# KiCad board main.kicad_pcb (continued)
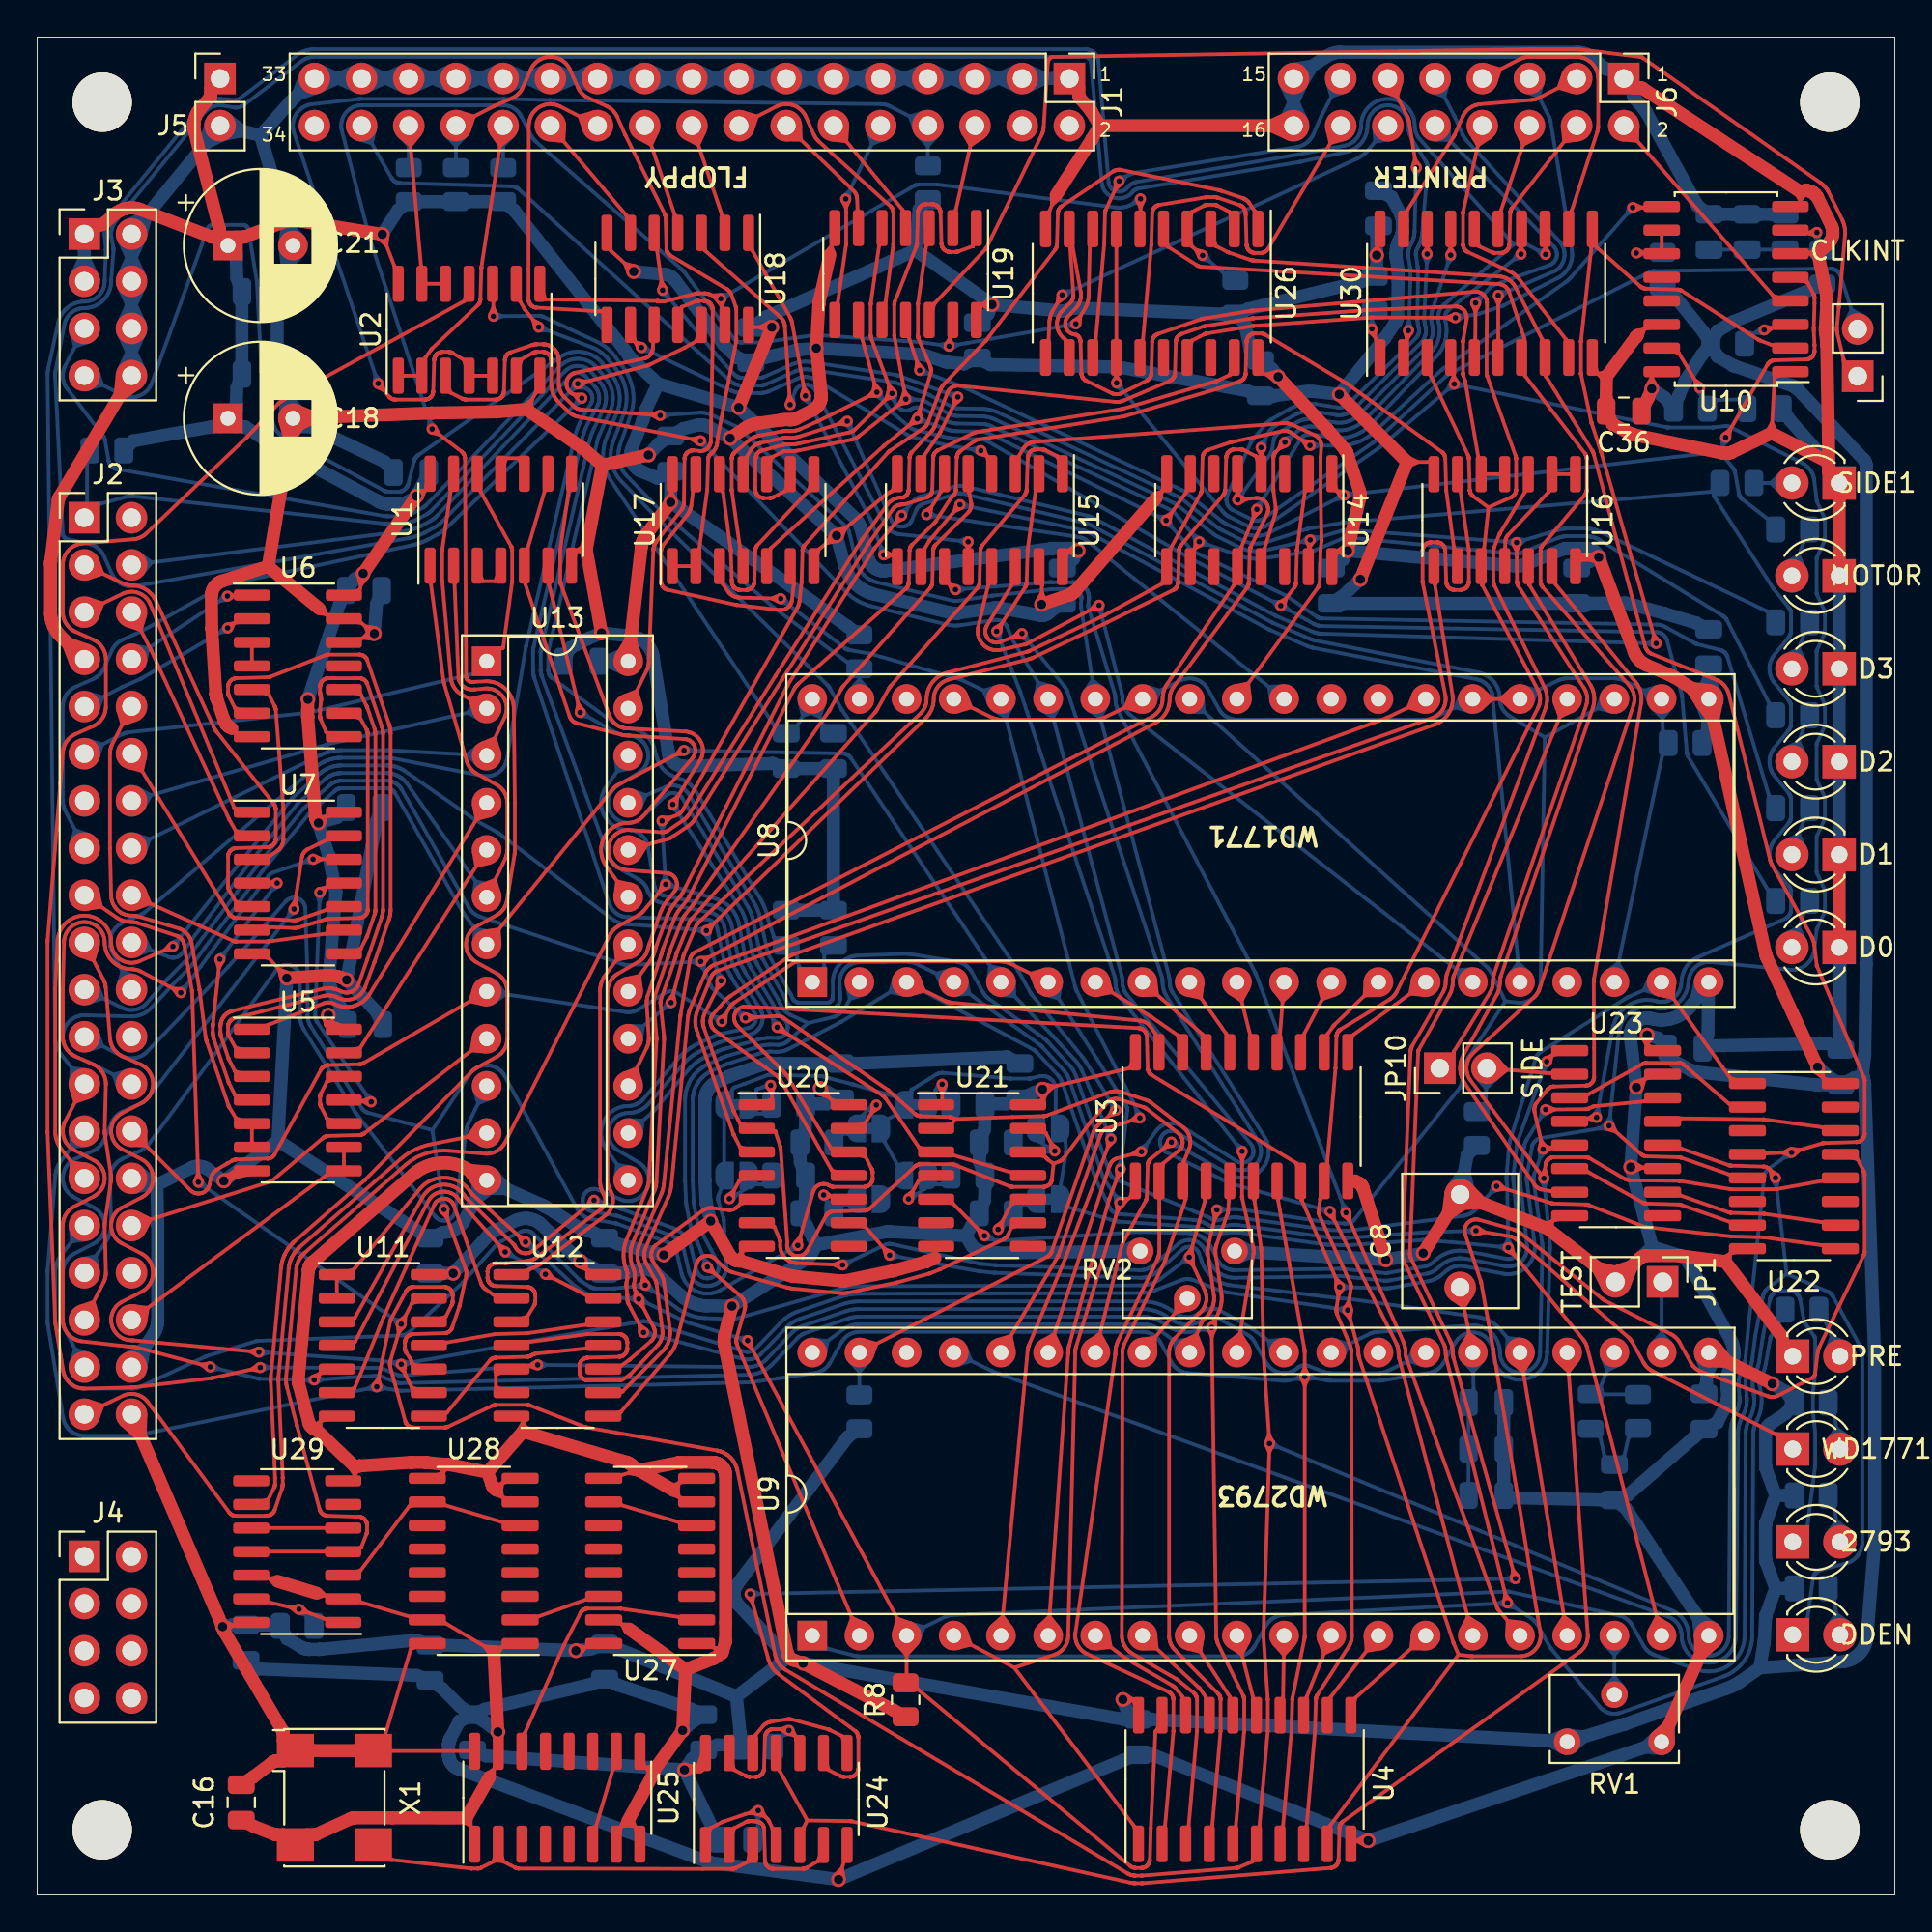
[diagram p0: board, top side]
## Routing (per net, layer and track width the routed paths; a pad name or vN(x,y) marks a point on that pad's centre or on a via; arc(x,y) is an arc through that point) (continued)
Net-(J6-Pad2): length 14.7
  Top w0.2: 86.16,95.21 86.13,94.42 85.34,94.49 ; J6.2 93.45,86.08 U10.4
Net-(J6-Pad3): length 15.1
  Top w0.2: 82.66,97.06 81.9,97.28 82.16,98.02 ; 80.86,96.74 J6.3 ; U30.19 73.74,90.66 73.75,90.67 76.23,94.62 76.25,94.64 76.26,94.66 76.27,94.69 76.29,94.71 76.3,94.74 76.31,94.76 76.73,95.71 76.76,95.76 76.79,95.82 76.82,95.87 76.85,95.92 76.89,95.97 76.93,96.02 76.98,96.06 77.02,96.1 77.07,96.14 77.12,96.18 77.17,96.22 77.22,96.25 77.28,96.28 77.33,96.3 77.39,96.32 77.45,96.34 77.51,96.36 77.57,96.37 77.63,96.38 77.69,96.39 80.43,96.62 80.48,96.62 80.53,96.63 80.58,96.64 80.62,96.65 80.67,96.67 80.72,96.68 80.77,96.7 80.81,96.72 80.86,96.74
Net-(J6-Pad4): length 12.1
  Top w0.2: 82.12,95.16 82.2,94.38 82.98,94.49 ; U30.16 77.62,88.74 77.62,88.73 78.3,88.42 78.33,88.41 78.35,88.4 78.39,88.39 78.41,88.39 78.43,88.39 78.47,88.38 78.48,88.38 78.78,88.38 78.81,88.38 78.85,88.39 78.87,88.39 78.89,88.4 78.93,88.4 78.95,88.41 78.97,88.42 79,88.44 79.02,88.45 79.04,88.46 79.07,88.48 79.09,88.5 79.1,88.51 79.13,88.53 79.14,88.55 79.15,88.57 79.17,88.6 79.19,88.62 79.2,88.64 79.21,88.67 79.22,88.69 79.23,88.71 79.24,88.75 79.24,88.77 79.24,88.79 79.25,88.83 79.29,90.53 79.3,90.57 79.3,90.6 79.31,90.62 79.32,90.66 79.33,90.68 79.34,90.73 79.36,90.75 79.37,90.77 79.4,90.81 J6.4
Net-(J6-Pad5): length 35.9
  Top w0.2: v2(76.35,84.9) 71.85,84.91 71.81,84.91 71.8,84.91 65.51,84.46 65.46,84.46 65.42,84.45 62.95,84.05 62.92,84.04 62.88,84.03 62.86,84.02 62.82,84 62.81,84 62.18,83.68 62.18,83.68 U26.17 ; 76.26,84.71 75.87,84.9 76.26,85.08
  Bottom w0.2: 76.46,84.73 76.82,84.97 76.4,85.09 ; 81.05,97.56 80.83,96.81 80.08,97.07 ; v2(76.35,84.9) 77.53,85.09 77.56,85.1 77.59,85.1 77.62,85.11 78.84,85.52 78.87,85.53 78.9,85.54 78.93,85.55 81.85,87.03 81.92,87.07 81.99,87.11 82.06,87.16 82.12,87.21 82.18,87.26 82.24,87.32 82.3,87.38 82.35,87.45 82.39,87.52 82.44,87.59 82.48,87.66 82.51,87.73 82.54,87.81 82.57,87.89 82.59,87.97 82.61,88.05 82.62,88.13 82.63,88.21 82.63,88.29 82.63,88.37 82.62,88.46 82.61,88.54 81.47,95.42 81.47,95.47 81.46,95.51 81.44,95.56 81.43,95.6 81.42,95.64 81.4,95.68 81.38,95.72 81.36,95.76 J6.5
Net-(J6-Pad6): length 7.4
  Top w0.2: 79.65,94.92 79.98,94.2 80.68,94.57 ; U30.15 78.8,90.67 78.8,90.67 J6.6
Net-(J6-Pad7): length 17.1
  Top w0.2: 78.5,97.53 78.76,98.27 78,98.49 ; U30.12 82.61,90.67 82.61,90.67 83.97,94.88 83.99,94.92 84,94.96 84.01,95.01 84.02,95.05 84.02,95.1 84.03,95.14 84.03,95.19 84.03,95.23 84.03,97.78 84.03,97.84 84.02,97.91 84.01,97.98 84,98.04 83.98,98.11 83.96,98.17 83.94,98.23 83.91,98.3 83.87,98.36 83.84,98.41 83.8,98.47 83.76,98.52 83.71,98.57 83.67,98.62 83.62,98.66 83.56,98.71 83.51,98.74 83.45,98.78 83.39,98.81 83.33,98.84 83.27,98.87 83.2,98.89 83.14,98.9 83.07,98.92 83,98.93 82.94,98.93 82.87,98.94 80.33,98.94 80.28,98.93 80.23,98.93 80.18,98.93 80.13,98.92 80.08,98.91 80.03,98.9 79.99,98.88 79.94,98.87 79.89,98.85 79.85,98.83 79.8,98.81 J6.7
Net-(J6-Pad8): length 16.8
  Top w0.2: 78.21,94.61 77.55,94.17 77.15,94.85 ; J6.8 76.76,90.61 76.76,90.58 76.75,90.53 76.75,90.52 76.75,88.84 76.76,88.82 76.76,88.78 76.76,88.75 76.77,88.74 76.78,88.7 76.78,88.68 76.8,88.64 76.82,88.61 76.83,88.59 76.85,88.56 76.87,88.54 76.88,88.53 76.91,88.5 76.93,88.48 76.94,88.47 76.97,88.45 76.99,88.44 77.01,88.43 77.03,88.42 79.25,87.4 79.31,87.37 79.36,87.34 79.42,87.31 79.47,87.27 79.52,87.24 79.57,87.2 79.61,87.16 79.66,87.11 79.7,87.07 79.74,87.02 79.78,86.97 82.28,83.75 82.28,83.74 U30.9
Net-(J6-Pad9): length 23
  Top w0.2: 78.47,86.01 78.65,85.62 78.83,86.01 ; v2(78.65,86.1) 78.65,83.64 U30.6
  Bottom w0.2: J6.9 76.28,95.76 76.3,95.74 76.31,95.71 76.73,94.76 76.75,94.72 76.77,94.68 76.8,94.64 76.82,94.6 76.85,94.56 76.88,94.52 76.9,94.48 76.94,94.45 81.95,89 81.99,88.95 82.03,88.9 82.06,88.85 82.09,88.8 82.12,88.74 82.15,88.69 82.17,88.63 82.19,88.57 82.2,88.51 82.21,88.45 82.22,88.39 82.22,88.33 82.22,88.27 82.22,88.21 82.21,88.15 82.2,88.09 82.18,88.03 82.17,87.97 82.14,87.92 82.12,87.86 82.09,87.81 82.06,87.76 82.03,87.71 81.99,87.66 81.95,87.61 81.91,87.57 81.86,87.53 81.81,87.49 81.76,87.45 81.71,87.42 81.66,87.39 81.6,87.37 v2(78.65,86.1) ; 75,97.07 75.75,96.81 75.97,97.56 ; 78.8,85.96 79.09,86.29 78.66,86.3
Net-(J6-Pad10): length 21.2
  Top w0.2: U30.5 77.42,83.64 77.42,83.74 v2(77.43,85.69) ; 77.25,85.61 77.43,85.21 77.61,85.61
  Bottom w0.2: 77.36,85.88 77.76,86.04 77.62,85.63 ; 76,95.25 76.01,94.46 75.22,94.49 ; v2(77.43,85.69) 78.21,86.52 78.23,86.53 78.25,86.55 78.27,86.57 78.29,86.59 78.31,86.6 78.33,86.62 78.35,86.63 78.37,86.64 78.4,86.65 78.42,86.66 78.45,86.67 81.41,87.73 81.44,87.74 81.47,87.76 81.5,87.78 81.53,87.79 81.56,87.81 81.59,87.84 81.62,87.86 81.65,87.89 81.67,87.91 81.69,87.94 81.71,87.97 81.73,88 81.75,88.03 81.76,88.07 81.78,88.1 81.79,88.13 81.8,88.17 81.8,88.2 81.81,88.24 81.81,88.28 81.81,88.31 81.81,88.35 81.81,88.38 81.8,88.42 81.79,88.45 81.78,88.49 81.77,88.52 81.76,88.56 81.74,88.59 81.72,88.62 81.7,88.65 81.68,88.68 81.66,88.71 81.64,88.73 J6.10
Net-(J6-Pad11): length 20.5
  Top w0.2: U30.2 73.74,83.74 73.74,83.74 ; 73.74,83.74 73.98,84.09 ; 73.74,83.74 73.62,84.15 ; 73.74,83.74 v2(73.82,84.21) ; 74.41,93.09 74.17,93.45 74.05,93.03 ; v2(74.24,92.98) 73.86,95.42 73.85,95.46 73.84,95.51 73.83,95.55 73.81,95.6 73.8,95.64 73.78,95.68 73.76,95.72 73.74,95.76 J6.11 ; 73.43,97.56 73.21,96.81 72.46,97.07
  Bottom w0.2: v2(73.82,84.21) 73.86,84.98 73.86,85.01 73.92,86.83 73.92,86.87 73.92,87.39 73.92,87.44 73.92,87.48 73.91,87.55 73.91,87.58 73.9,87.61 73.9,87.63 73.82,88.16 73.81,88.21 73.81,88.26 73.8,88.31 73.81,88.37 73.81,88.42 73.81,88.47 73.82,88.52 73.83,88.57 73.85,88.62 73.86,88.67 73.88,88.71 73.9,88.76 73.93,88.8 73.97,88.89 73.99,88.92 74,88.95 74.02,88.99 74.03,89.02 74.05,89.05 74.06,89.09 74.07,89.12 74.08,89.15 74.09,89.19 74.1,89.23 74.11,89.26 74.12,89.3 74.13,89.33 74.13,89.37 74.14,89.4 74.14,89.44 74.14,89.5 74.15,89.54 74.15,89.56 v2(74.24,92.98) ; 73.64,84.3 73.84,84.69 74,84.28 ; 74.06,92.9 74.23,92.5 74.42,92.89
Net-(J6-Pad12): length 26.8
  Top w0.2: U26.11 54.45,83.74 54.48,84.63 54.49,84.69 54.5,84.76 54.51,84.82 54.52,84.88 54.53,84.95 54.55,85.01 54.57,85.07 54.6,85.13 54.62,85.19 54.65,85.24 54.68,85.3 v2(55.17,86.12) ; 55.29,85.96 54.93,85.71 54.97,86.14
  Bottom w0.2: 55.17,86.32 55.61,86.32 55.32,85.99 ; J6.12 71.71,93.99 71.66,93.93 71.59,93.86 71.53,93.79 71.46,93.73 71.39,93.67 71.32,93.62 71.24,93.57 71.16,93.52 71.08,93.48 71,93.44 v2(55.17,86.12) ; 72.81,94.49 72.03,94.39 71.96,95.17
Net-(J6-Pad13): length 27.3
  Top w0.2: 58.37,92.1 58.04,91.82 58.04,92.25 ; U26.13 56.99,83.74 57.43,88.82 57.44,88.83 57.48,90.53 57.49,90.57 57.49,90.6 57.5,90.62 57.51,90.66 57.51,90.68 57.52,90.7 v2(58.24,92.25)
  Bottom w0.2: 58.62,92.5 58.67,92.53 58.72,92.56 58.77,92.58 58.83,92.61 58.88,92.63 58.94,92.65 58.99,92.67 59.05,92.69 59.11,92.7 59.17,92.71 67.81,94.09 67.88,94.1 67.94,94.12 68,94.14 68.06,94.16 68.12,94.18 68.18,94.21 68.23,94.24 68.28,94.28 68.34,94.31 68.39,94.36 68.43,94.4 68.48,94.44 68.52,94.49 68.56,94.54 68.6,94.59 68.63,94.65 68.66,94.71 68.69,94.76 69.11,95.71 69.12,95.74 69.14,95.76 J6.13 ; 58.62,92.5 v2(58.24,92.25) ; 58.62,92.5 58.22,92.45 ; 58.62,92.5 58.41,92.15 ; 69.45,97.56 69.67,96.81 70.42,97.07
Net-(J6-Pad14): length 25.9
  Top w0.2: 69.44,95.07 69.62,94.3 70.38,94.51 ; 60.3,90.94 60.33,90.95 60.35,90.96 60.4,90.97 60.41,90.97 62.88,91.38 62.92,91.38 62.98,91.39 63.01,91.39 63.03,91.39 63.33,91.39 63.36,91.39 63.42,91.38 63.44,91.38 63.46,91.38 63.48,91.38 63.5,91.37 63.52,91.37 63.56,91.36 63.6,91.34 64.75,90.95 64.78,90.94 64.81,90.93 64.83,90.91 64.87,90.89 64.89,90.87 64.91,90.85 64.94,90.83 64.95,90.81 64.98,90.78 64.99,90.75 65.01,90.72 65.02,90.7 65.02,90.68 65.03,90.63 65.04,90.59 65.05,90.54 65.06,90.43 65.06,90.43 65.1,88.83 65.11,88.79 65.11,88.76 65.12,88.74 65.13,88.7 65.14,88.68 65.15,88.64 65.17,88.61 65.18,88.59 65.2,88.56 65.22,88.54 65.23,88.53 65.26,88.5 65.28,88.48 65.29,88.47 65.32,88.45 65.34,88.44 65.36,88.43 65.39,88.42 65.42,88.41 65.43,88.4 65.47,88.39 65.49,88.39 65.51,88.39 65.55,88.38 65.56,88.38 65.86,88.38 65.89,88.38 65.93,88.39 65.95,88.39 65.97,88.4 66.01,88.4 66.03,88.41 66.05,88.42 66.08,88.44 66.1,88.45 66.12,88.46 66.15,88.48 66.17,88.5 66.18,88.51 66.21,88.53 66.22,88.55 66.23,88.57 66.26,88.61 J6.14 ; U26.15 59.53,83.74 59.97,88.82 59.98,88.83 60.02,90.53 60.03,90.57 60.03,90.6 60.04,90.62 60.05,90.66 60.06,90.68 60.07,90.73 60.09,90.75 60.1,90.77 60.12,90.8 60.14,90.82 60.16,90.84 60.18,90.87 60.2,90.88 60.24,90.91 60.26,90.92 60.3,90.94
Net-(JP1-Pad1): length 5.3
  Bottom w0.2: 86.92,29.67 87.44,30.23 87.96,29.67 ; U9.22 87.44,32.25 JP1.1
Net-(JP2-Pad2): length 5.3
  Top w0.2: 42.71,37.61 42.47,37.83 ; 42.71,37.61 U20.10 ; 42.71,37.61 42.41,37.49 ; 42.71,37.61 v2(42.34,37.68)
  Bottom w0.2: JP2.2 43.72,37.16 43.4,37.16 R9.2 42.52,37.36 42.52,37.37 ; 42.52,37.37 v2(42.34,37.68) ; 42.52,37.37 42.25,37.5 ; 42.52,37.37 42.54,37.66
Net-(JP3-Pad2): length 7
  Top w0.2: 44.98,42.54 44.92,42.11 45.29,42.35 ; U20.13 44.58,41.55 44.58,41.55 v2(45.17,42.52)
  Bottom w0.2: 44.76,42.28 45.01,42.63 ; 44.76,42.28 44.74,42.27 44.73,42.25 44.71,42.24 44.7,42.23 44.4,41.93 44.4,41.92 JP3.2 43.72,40.97 43.4,40.97 R12.2 ; 44.76,42.28 45.19,42.32 ; 44.76,42.28 v2(45.17,42.52)
Net-(JP4-Pad2): length 7.2
  Top w0.2: 37.46,37.46 37.5,37.89 37.15,37.63 ; v2(37.27,37.47) 37.81,38.46 37.81,38.46 U20.4
  Bottom w0.2: 37.66,37.7 37.25,37.67 ; 37.66,37.7 37.68,37.71 38.1,37.99 38.11,38 38.12,38.01 JP4.2 38.71,38.25 39.03,38.25 R10.2 ; 37.66,37.7 37.43,37.36 ; 37.66,37.7 v2(37.27,37.47)
Net-(JP5-Pad2): length 6.4
  Top w0.2: 39.31,43.47 39.54,43.1 39.68,43.52 ; U20.1 39.58,42.83 39.58,42.83 v2(39.48,43.58)
  Bottom w0.2: 39.17,43.51 39.11,43.5 39.09,43.49 38.77,43.37 38.76,43.37 38.74,43.36 38.73,43.35 38.72,43.33 38.72,43.32 38.71,43.3 38.71,43.29 38.71,43.28 38.71,43.18 JP5.2 38.71,42.06 39.03,42.06 R11.2 ; 39.17,43.51 v2(39.48,43.58) ; 39.17,43.51 39.39,43.4 ; 39.17,43.51 39.33,43.7
Net-(JP6-Pad2): length 6.8
  Top w0.2: v2(51.73,35.82) 52.43,37.18 52.43,37.18 U21.10 ; 51.93,35.81 51.95,36.25 51.61,35.98
  Bottom w0.2: JP6.2 53.37,37.16 53.05,37.16 R17.1 52.07,36.09 ; 52.07,36.09 51.91,35.74 ; 52.07,36.09 v2(51.73,35.82) ; 52.07,36.09 51.69,36.02
Net-(JP7-Pad2): length 7.8
  Top w0.2: 54.58,40.03 54.57,40.47 54.91,40.2 ; v2(54.78,40.04) 54.29,41.02 54.29,41.02 U21.13
  Bottom w0.2: 54.42,40.24 54.78,40.24 ; 54.42,40.24 v2(54.78,40.04) 54.76,40.03 54.74,40.03 54.72,40.02 54.7,40.01 54.68,40.01 54.66,40 54.64,40 54.62,40 54.6,40 54.58,40 53.05,39.98 53.04,39.98 R18.1 ; 54.42,40.24 54.4,40.25 53.98,40.53 53.97,40.54 53.96,40.55 JP7.2 ; 54.42,40.24 54.61,39.94
Net-(JP8-Pad2): length 7.3
  Top w0.2: 46.79,37.62 47.14,37.88 47.1,37.45 ; U21.4 47.46,38.46 47.46,38.46 v2(46.91,37.46)
  Bottom w0.2: 47.32,37.7 47.07,37.35 ; 47.32,37.7 46.89,37.66 ; 47.32,37.7 v2(46.91,37.46) ; 47.32,37.7 47.33,37.71 47.75,37.99 47.77,38 47.77,38.01 JP8.2 48.36,38.25 48.68,38.25 R19.1
Net-(JP9-Pad2): length 6.3
  Top w0.2: 48.9,43.55 48.72,43.16 48.53,43.55 ; v2(48.72,43.64) 48.72,42.73 U21.1
  Bottom w0.2: 48.86,43.22 48.86,43.22 R20.2 ; 48.86,43.22 48.58,43.49 ; 48.86,43.22 48.92,43.61 ; 48.86,43.22 v2(48.72,43.64) 48.39,43.36 ; 48.39,43.36 48.38,43.34 48.37,43.32 48.36,43.3 48.36,43.28 48.36,43.18 JP9.2 ; 48.39,43.36 48.76,43.44 ; 48.39,43.36 48.53,43.71
Net-(JP11-Pad1): length 70.8
  Top w0.2: U19.12 48.31,85.66 48.31,85.67 51.05,88.59 51.07,88.61 51.08,88.63 ; 51.08,88.62 51.1,88.65 51.11,88.67 51.12,88.69 54.07,94.73 54.09,94.77 54.11,94.82 54.12,94.87 54.14,94.91 54.15,94.96 54.16,95.01 54.17,95.06 54.18,95.11 54.18,95.16 54.41,98.64 54.41,98.66 54.41,98.68 54.41,98.7 54.42,98.71 54.42,98.73 54.43,98.75 54.44,98.76 54.45,98.78 54.46,98.79 54.47,98.81 54.48,98.82 54.49,98.84 54.5,98.85 54.51,98.86 54.53,98.87 54.54,98.88 54.56,98.89 54.57,98.9 54.59,98.91 54.61,98.92 54.62,98.92 54.64,98.93 54.66,98.93 54.67,98.93 54.69,98.93 54.71,98.94 80.3,99.34 80.33,99.35 82.87,99.35 82.91,99.34 82.95,99.34 82.99,99.34 83.02,99.34 83.06,99.33 86.3,98.93 86.33,98.93 86.35,98.92 86.38,98.91 86.4,98.9 86.43,98.89 86.44,98.88 96,92.15 96.04,92.13 96.07,92.1 96.1,92.08 96.12,92.06 96.15,92.04 96.17,92.01 96.19,91.99 96.22,91.97 96.24,91.94 96.26,91.91 96.29,91.89 96.31,91.86 96.33,91.83 96.34,91.81 96.36,91.78 96.38,91.76 96.39,91.73 96.41,91.7 96.43,91.67 96.44,91.65 97.17,90.16 97.2,90.1 97.22,90.03 97.25,89.97 97.27,89.9 97.28,89.84 97.3,89.77 97.31,89.7 97.32,89.63 97.32,89.56 97.32,89.5 97.32,89.43 97.32,89.36 96.99,85.51 96.99,85.47 96.88,84.4 96.88,84.35 96.88,84.3 96.88,84.26 96.88,84.21 96.89,84.16 96.89,84.12 96.9,84.07 96.91,84.03 97.25,82.62 97.25,82.6 97.25,82.5 JP11.1
Net-(R2-Pad2): length 5.6
  Top w0.2: 86.46,88.38 86.19,88.21 ; 86.46,88.38 86.56,88.38 U10.11 87.45,89.61 ; 86.46,88.38 v2(86.08,88.38) ; 86.46,88.38 86.19,88.55
  Bottom w0.2: v2(86.08,88.38) 86.9,88.38 R2.2 ; 86.17,88.2 86.56,88.38 86.17,88.56
Net-(R4-Pad2): length 71.7
  Top w0.2: 58.85,64.63 58.57,63.92 59.3,63.7 ; 77.75,64.89 78.32,64.37 77.75,63.86 ; 49.99,64.63 50.28,63.92 49.54,63.7 ; U8.37 51.4,63.38 51.44,63.35 51.49,63.34 51.54,63.32 51.58,63.3 51.63,63.29 51.68,63.28 51.73,63.27 51.78,63.27 51.83,63.26 51.88,63.26 56.96,63.26 57.01,63.27 57.06,63.27 57.11,63.27 57.16,63.28 57.21,63.29 57.26,63.3 57.31,63.32 57.35,63.34 57.4,63.35 57.45,63.38 U8.33 ; 79.35,64.89 78.78,64.37 79.35,63.86 ; U8.25 U8.26
  Bottom w0.2: U8.26 75.23,63.38 75.18,63.35 75.13,63.34 75.09,63.32 75.04,63.3 74.99,63.29 74.94,63.28 74.89,63.27 74.84,63.27 74.79,63.27 74.74,63.26 64.58,63.26 64.52,63.27 64.46,63.27 64.4,63.28 64.34,63.29 64.28,63.31 64.22,63.33 64.16,63.35 64.1,63.37 64.05,63.4 63.99,63.43 63.94,63.47 63.89,63.51 63.84,63.55 63.8,63.59 63.76,63.63 63.72,63.68 63.68,63.73 63.64,63.78 63.61,63.83 63.01,64.91 62.98,64.97 62.94,65.02 62.9,65.07 62.86,65.12 62.82,65.17 62.77,65.21 62.72,65.25 62.67,65.29 62.61,65.33 62.56,65.36 62.5,65.39 62.44,65.41 62.38,65.43 62.31,65.45 62.25,65.46 62.19,65.47 62.12,65.48 62.06,65.48 61.99,65.48 61.93,65.48 61.86,65.47 61.8,65.46 61.74,65.44 61.68,65.42 61.62,65.4 61.56,65.37 U8.33 ; 85.51,49.49 85.12,50.15 84.49,49.7 ; 80.47,64.11 80.76,64.83 80.02,65.05 ; 86.79,64.11 86.51,64.83 87.24,65.05 ; U8.25 81.88,65.37 81.92,65.39 81.97,65.41 82.02,65.43 82.06,65.44 82.11,65.46 82.16,65.47 82.21,65.47 82.26,65.48 82.31,65.48 82.36,65.48 84.9,65.48 84.95,65.48 85,65.48 85.05,65.47 85.1,65.47 85.15,65.46 85.2,65.44 85.25,65.43 85.3,65.41 85.34,65.39 85.39,65.37 U8.22 87.52,62.7 R4.2 87.47,61.31 U8.18 ; 77.08,63.7 76.35,63.92 76.63,64.63 ; 86.95,63.88 87.49,63.34 87.98,63.93 ; 60.15,64.11 60.44,64.83 59.7,65.05
Net-(R5-Pad2): length 37.1
  Top w0.2: U2.10 24.56,85.85 v2(24.56,84.98) ; 24.74,85.06 24.56,85.46 24.37,85.06
  Bottom w0.2: 24.64,85.16 25.04,84.98 24.64,84.8 ; v2(24.56,84.98) 26.99,85 27.01,85 27.04,85 27.07,85 27.1,84.99 27.12,84.99 27.15,84.98 27.18,84.98 27.2,84.97 27.23,84.96 27.25,84.95 30.15,83.6 30.25,83.55 30.35,83.49 30.45,83.43 30.54,83.37 30.63,83.3 30.72,83.23 30.81,83.15 30.89,83.07 30.97,82.99 31.04,82.9 31.11,82.81 31.37,82.45 31.4,82.42 31.42,82.39 31.45,82.35 31.54,82.23 31.63,82.11 31.71,81.98 31.79,81.85 31.85,81.71 31.91,81.57 31.96,81.43 32,81.28 32.04,81.14 32.07,80.99 32.09,80.84 32.1,80.68 32.1,80.53 32.09,80.38 32.08,80.23 32.06,80.08 32.03,79.93 31.99,79.79 31.94,79.64 31.38,78.05 31.35,77.96 31.33,77.87 31.31,77.79 31.3,77.7 31.29,77.61 31.28,77.52 31.29,77.43 31.29,77.34 31.31,77.25 31.32,77.16 31.34,77.07 31.37,76.99 31.4,76.9 31.44,76.82 31.48,76.74 31.52,76.66 31.57,76.59 31.62,76.52 31.68,76.45 31.74,76.38 33.6,74.47 33.62,74.44 33.64,74.42 39.63,69.31 39.66,69.28 43.58,66.37 43.59,66.37 R5.2 U8.39 ; 43.74,64.85 44.26,65.41 44.78,64.85
Net-(R6-Pad2): length 86.4
  Top w0.2: 26.8,84.35 26.7,84.77 27.09,84.57 ; U9.39 54.38,34.35 54.41,34.37 54.45,34.4 54.47,34.41 54.48,34.43 54.51,34.45 54.52,34.47 54.54,34.48 54.56,34.51 54.57,34.54 54.58,34.55 54.59,34.59 54.6,34.61 56.84,41.03 56.86,41.07 56.88,41.11 56.9,41.15 56.92,41.19 56.94,41.23 56.97,41.27 56.99,41.31 57.02,41.34 57.05,41.38 57.08,41.41 57.12,41.44 57.15,41.47 v2(58.07,42.24) ; 58.12,42.05 57.7,41.94 57.89,42.33 ; 44.45,29.87 45.19,29.67 44.92,28.95 ; v2(26.99,84.39) 26.27,85.33 26.24,85.36 26.22,85.39 26.21,85.41 26,85.76 U2.9
  Bottom w0.2: 44.78,28.72 44.26,28.16 43.74,28.72 ; 42.5,65.17 42.53,65.14 42.55,65.11 42.58,65.08 42.6,65.05 42.63,65.01 42.65,64.98 42.67,64.95 42.69,64.91 43.29,63.83 43.3,63.81 43.32,63.79 43.33,63.78 43.34,63.76 43.35,63.74 43.81,63.08 43.81,63.08 52.8,49.75 52.82,49.72 52.84,49.69 52.85,49.67 53.45,48.59 53.47,48.57 53.48,48.54 53.5,48.51 53.52,48.49 53.54,48.46 53.56,48.43 56.26,45.11 56.3,45.05 56.34,45 56.38,44.94 56.42,44.89 56.46,44.83 v2(58.07,42.24) ; R6.2 U9.39 ; 27.14,84.53 27.44,84.22 27.01,84.19 ; 42.5,65.17 33.32,74.16 33.3,74.18 31.45,76.09 31.37,76.18 31.3,76.26 31.24,76.35 31.18,76.44 31.12,76.53 31.07,76.63 31.03,76.73 30.99,76.84 30.96,76.94 30.93,77.05 30.91,77.15 30.89,77.26 30.88,77.37 30.87,77.48 30.88,77.59 30.88,77.7 30.9,77.81 30.92,77.92 30.94,78.02 30.97,78.13 31.01,78.23 31.57,79.71 31.62,79.83 31.65,79.96 31.68,80.09 31.71,80.23 31.72,80.36 31.73,80.5 31.73,80.63 31.72,80.76 31.71,80.9 31.68,81.03 31.66,81.16 31.62,81.29 31.57,81.42 31.52,81.54 31.46,81.67 31.4,81.78 31.33,81.9 31.25,82.01 31.17,82.11 31.14,82.15 31.11,82.18 31.1,82.19 30.77,82.63 30.71,82.7 30.64,82.78 30.58,82.85 30.5,82.91 30.43,82.97 30.35,83.03 30.28,83.09 30.19,83.14 30.11,83.19 30.02,83.23 29.94,83.28 29.85,83.31 v2(26.99,84.39) ; 58.18,42.41 57.82,42.65 57.87,42.22
Net-(R35-Pad2): length 9.8
  Top w0.2: 62.79,88.44 62.37,88.56 62.55,88.16 ; v2(62.74,88.25) 62.16,88.74 U26.4 62.18,90.6 62.18,90.61 62.81,90.92 62.84,90.94 ; 62.84,90.94 62.87,90.95 62.89,90.96 62.93,90.97 62.95,90.97 63,90.98 63.03,90.98 63.33,90.98 63.35,90.98 63.39,90.97 63.41,90.97 63.43,90.97 63.47,90.96 63.49,90.95 63.53,90.93 63.54,90.92 64.17,90.6 U26.2
  Bottom w0.2: 62.92,88.34 63.1,87.94 62.68,88.06 ; R35.2 63.85,87.32 v2(62.74,88.25)
Net-(R37-Pad2): length 4.4
  Top w0.2: 72.05,84.29 72.02,83.85 71.71,84.16 ; v2(71.85,84.3) 72.07,83.73 U30.1
  Bottom w0.2: 71.66,84.38 71.85,84.78 72.03,84.38 ; v2(71.85,84.3) 71.85,84.89 R37.2
Net-(R38-Pad2): length 4.4
  Top w0.2: v2(92.97,84.24) 93.39,84.34 ; 93.39,84.34 93.01,84.43 ; 93.39,84.34 93.1,84.09 ; 93.39,84.34 U10.3
  Bottom w0.2: 92.83,84.39 92.51,84.09 92.94,84.04 ; v2(92.97,84.24) 92.4,84.06 92.4,84.06 R38.2
Net-(U1-Pad3): length 2.5
  Top w0.2: U1.3 23.99,70.71 24.66,70.71 U1.4
Net-(U1-Pad6): length 113.8
  Top w0.2: U4.1 59.05,3.71 52.6,12.23 ; 50,14.19 50.26,13.47 49.52,13.28 ; 52.6,12.23 54.75,12.93 54.81,12.95 54.87,12.97 54.92,13 54.98,13.03 55.03,13.06 55.08,13.1 55.13,13.14 55.17,13.18 55.22,13.22 55.26,13.27 55.3,13.32 55.33,13.37 55.36,13.42 55.39,13.48 55.42,13.53 55.44,13.59 55.46,13.65 55.47,13.71 55.49,13.77 55.49,13.83 55.5,13.89 55.5,13.95 55.5,13.99 55.88,29.16 55.88,29.23 55.88,29.27 55.89,29.31 55.89,29.35 55.9,29.39 55.91,29.43 55.92,29.47 55.93,29.51 v2(58.29,37.26) 58.83,37.53 U3.1 ; 52.6,12.23 U9.4 ; 58.09,37.23 58.15,36.8 58.44,37.13 ; U1.6 27.55,70.68 27.55,70.57 27.55,70.55 v2(29.23,63.65) ; 29.04,63.69 29.12,64.12 29.39,63.78 ; 58.44,37.13 58.72,37.47 58.28,37.46
  Bottom w0.2: 48.69,48.87 48.41,49.59 49.14,49.81 ; 29.22,63.45 29.65,63.41 29.4,63.77 ; 58.39,37.43 58.02,37.66 58.09,37.23 ; v2(58.29,37.26) 57.46,38.5 ; v2(29.23,63.65) 31.1,62.6 31.16,62.56 31.22,62.53 31.28,62.51 31.35,62.48 31.41,62.46 31.48,62.45 31.54,62.43 31.61,62.42 31.68,62.41 31.75,62.41 31.82,62.41 31.88,62.4 31.95,62.4 32.01,62.39 32.08,62.37 32.14,62.36 32.21,62.33 32.27,62.31 32.33,62.28 32.38,62.24 32.44,62.21 32.49,62.17 32.54,62.12 32.59,62.08 32.64,62.03 32.68,61.98 32.72,61.92 32.75,61.87 32.78,61.81 32.81,61.75 32.83,61.68 32.85,61.62 32.87,61.56 32.88,61.49 32.89,61.43 32.9,61.36 32.9,61.29 32.89,61.23 32.88,61.16 32.87,61.09 32.85,61.03 32.83,60.97 32.81,60.9 32.78,60.84 32.75,60.79 32.72,60.73 32.68,60.67 32.64,60.62 32.59,60.57 32.54,60.53 32.49,60.48 32.44,60.44 32.38,60.41 31.25,59.7 31.19,59.67 31.14,59.63 31.09,59.58 31.04,59.53 30.99,59.48 30.95,59.43 30.91,59.38 30.88,59.32 30.84,59.26 30.82,59.19 30.79,59.13 30.77,59.07 30.76,59 30.75,58.93 30.74,58.87 30.74,58.8 30.74,58.73 30.74,58.66 30.75,58.6 30.77,58.53 30.79,58.46 30.81,58.4 30.83,58.34 30.86,58.28 30.9,58.22 30.94,58.16 30.98,58.11 31.02,58.06 31.07,58.01 31.12,57.96 31.17,57.92 31.23,57.88 31.29,57.85 31.35,57.81 31.41,57.79 31.47,57.76 31.54,57.74 31.6,57.73 31.67,57.72 31.74,57.71 31.8,57.71 31.87,57.71 31.94,57.71 32.01,57.72 32.07,57.74 32.14,57.76 32.2,57.78 32.26,57.8 32.33,57.83 32.38,57.87 32.44,57.91 32.5,57.95 32.55,57.99 33.8,59.15 33.83,59.17 33.86,59.19 33.89,59.21 33.92,59.23 33.95,59.25 33.99,59.26 34.02,59.27 34.05,59.28 34.09,59.29 34.12,59.3 34.16,59.3 34.2,59.31 34.23,59.31 34.27,59.3 34.3,59.3 34.34,59.29 34.37,59.29 34.41,59.28 34.44,59.26 34.48,59.25 34.51,59.23 34.54,59.22 34.57,59.2 34.6,59.17 34.62,59.15 34.65,59.13 34.68,59.1 34.7,59.07 34.72,59.04 34.74,59.01 38.23,53.24 38.28,53.16 38.32,53.07 38.37,52.98 38.41,52.9 38.44,52.81 38.47,52.72 38.5,52.63 38.53,52.53 38.55,52.44 38.89,50.81 38.9,50.78 38.91,50.75 38.91,50.74 38.96,50.6 38.98,50.54 38.99,50.5 39,50.47 39.03,50.42 39.05,50.39 40.19,48.4 40.22,48.35 40.25,48.3 40.27,48.25 40.3,48.2 40.32,48.15 40.34,48.1 40.35,48.08 40.36,48.05 40.37,48.03 40.38,48.01 40.4,47.99 40.41,47.97 40.43,47.94 40.44,47.92 40.46,47.91 40.51,47.86 40.53,47.83 40.56,47.81 40.59,47.78 40.61,47.76 40.64,47.74 40.67,47.72 40.71,47.71 40.74,47.69 40.77,47.68 40.8,47.67 40.84,47.66 40.87,47.65 40.91,47.64 40.94,47.64 40.98,47.63 41.01,47.63 42.41,47.61 42.42,47.61 42.52,47.61 42.56,47.62 42.61,47.62 42.65,47.62 42.69,47.63 42.73,47.64 42.77,47.66 42.81,47.67 42.85,47.69 42.88,47.71 42.92,47.73 42.95,47.76 42.98,47.78 43.02,47.81 43.05,47.84 43.07,47.87 43.1,47.9 43.12,47.94 43.15,47.97 43.17,48.01 43.18,48.05 43.2,48.09 43.21,48.13 43.22,48.17 43.23,48.21 43.24,48.25 43.24,48.29 43.24,48.33 43.24,48.44 43.24,48.48 43.24,48.49 43.2,49.05 43.19,49.12 43.2,49.18 43.2,49.24 43.21,49.3 43.22,49.36 43.23,49.42 43.25,49.48 43.28,49.54 43.3,49.6 43.33,49.65 43.36,49.71 43.4,49.76 43.43,49.81 43.47,49.85 43.52,49.9 43.56,49.94 43.61,49.98 43.66,50.02 43.71,50.05 43.77,50.08 43.82,50.11 43.88,50.13 43.94,50.15 44,50.17 44.06,50.18 44.12,50.19 44.18,50.2 44.24,50.2 46.78,50.24 46.83,50.24 46.88,50.24 46.93,50.24 46.97,50.23 47.02,50.22 47.06,50.21 47.11,50.2 47.16,50.19 47.2,50.17 47.24,50.15 47.29,50.13 U8.4 50.97,47.92 51,47.9 53.95,45.78 53.97,45.77 53.99,45.75 54,45.74 54.02,45.73 54.03,45.72 54.04,45.7 54.09,45.65 54.09,45.65 55.24,44.41 55.28,44.36 55.32,44.31 55.36,44.26 55.4,44.21 55.43,44.16 55.46,44.1 55.49,44.04 55.52,43.99 55.54,43.93 55.56,43.87 57.35,38.73 57.36,38.7 57.37,38.66 57.39,38.63 57.4,38.6 57.42,38.56 57.44,38.53 57.46,38.5 ; 50.03,49.27 50.18,48.51 49.41,48.44
Net-(U1-Pad8): length 87.1
  Top w0.2: v2(36.08,33.8) 37.87,32.23 37.9,32.2 37.93,32.17 37.95,32.14 37.98,32.11 38,32.08 38.02,32.04 38.04,32.01 38.06,31.97 38.07,31.93 38.08,31.89 38.09,31.86 38.1,31.82 38.11,31.78 38.11,31.74 38.11,31.7 38.11,31.66 38.11,31.62 38.1,31.58 38.1,31.54 38.09,31.5 37.66,30.01 37.65,29.98 37.65,29.95 37.64,29.92 37.64,29.89 37.64,29.86 37.64,29.83 37.64,29.8 37.64,29.77 37.64,29.74 37.65,29.71 37.65,29.68 37.66,29.66 37.67,29.63 37.68,29.6 U9.2 ; 36.26,33.88 36.44,33.48 36.02,33.6 ; 28.77,76.5 28.6,75.53 28.16,72.45 28.16,72.39 28.16,72.38 28.16,70.73 28.16,70.7 28.16,70.66 28.17,70.64 28.17,70.62 28.18,70.58 28.19,70.57 30.8,63.49 30.83,63.44 30.85,63.38 30.88,63.33 30.91,63.28 30.94,63.23 30.98,63.18 31.02,63.14 31.06,63.09 31.1,63.05 31.15,63.02 31.2,62.98 31.25,62.95 31.3,62.92 31.35,62.89 31.41,62.87 31.46,62.84 31.52,62.83 31.58,62.81 31.64,62.8 31.7,62.79 31.76,62.79 31.82,62.79 31.85,62.79 31.89,62.78 34.87,62.62 34.93,62.62 34.99,62.61 35.05,62.6 35.11,62.58 35.17,62.56 35.23,62.54 35.28,62.52 35.33,62.49 35.38,62.46 35.43,62.42 35.48,62.38 35.53,62.34 35.57,62.3 35.61,62.25 35.65,62.21 35.68,62.16 35.71,62.1 35.74,62.05 35.76,62 35.78,61.94 35.8,61.88 35.82,61.82 35.83,61.76 35.84,61.7 35.84,61.64 35.84,61.58 35.84,61.52 35.83,61.46 35.82,61.4 35.81,61.34 35.79,61.29 35.77,61.23 35.74,61.17 35.72,61.12 35.69,61.07 v2(34.22,58.7) ; 43.6,14.19 43.86,14.91 44.56,14.59 ; 34.11,58.86 34.47,59.1 34.42,58.67
  Bottom w0.2: 41.49,46.93 42.78,47.23 42.84,47.25 42.89,47.27 42.95,47.29 43,47.31 43.05,47.34 43.11,47.37 43.16,47.4 43.2,47.43 43.25,47.47 43.29,47.51 43.33,47.55 43.37,47.59 43.41,47.64 43.45,47.68 43.48,47.73 43.51,47.78 U8.2 ; 41.49,46.93 40.47,46 40.44,45.97 40.4,45.94 40.36,45.91 40.32,45.89 40.27,45.86 40.23,45.84 40.18,45.82 40.14,45.8 40.09,45.79 40.04,45.78 39.99,45.77 39.95,45.76 39.9,45.76 39.85,45.75 39.8,45.75 39.57,45.76 39.47,45.77 39.38,45.76 39.28,45.76 39.19,45.74 39.09,45.73 39,45.71 38.91,45.69 38.82,45.66 38.73,45.63 ; 41.49,46.93 40.57,47.36 40.52,47.38 40.48,47.41 40.44,47.43 40.4,47.46 40.36,47.49 40.32,47.52 40.28,47.56 40.25,47.59 40.21,47.63 40.18,47.67 40.15,47.71 40.12,47.75 40.1,47.78 40.08,47.81 40.06,47.84 40.05,47.87 40.03,47.9 40.02,47.93 39.98,48.01 39.96,48.06 39.94,48.11 39.91,48.15 39.89,48.2 39.86,48.24 38.78,50.06 38.77,50.09 38.75,50.12 38.72,50.18 38.68,50.25 38.65,50.32 38.57,50.48 38.56,50.52 38.54,50.55 38.53,50.59 38.52,50.62 38.51,50.66 38.5,50.69 38.49,50.73 38.16,52.34 38.14,52.43 38.12,52.52 38.09,52.6 38.06,52.69 38.03,52.77 37.99,52.86 37.95,52.94 37.9,53.02 37.86,53.09 v2(34.22,58.7) ; 36.22,33.94 35.9,34.24 35.88,33.81 ; 38.73,45.63 38.69,45.62 38.65,45.6 38.6,45.59 37.1,45.15 37.05,45.13 37.01,45.12 36.97,45.1 36.93,45.09 36.89,45.07 36.79,45.02 36.77,45.02 36.09,44.7 36.05,44.68 36.01,44.66 35.97,44.64 35.94,44.62 35.9,44.6 35.87,44.58 35.78,44.52 35.74,44.49 35.7,44.46 35.66,44.43 35.62,44.39 35.58,44.36 35.54,44.32 35.47,44.25 35.43,44.21 35.4,44.17 35.36,44.13 35.33,44.09 35.3,44.05 35.27,44.01 35.21,43.92 35.18,43.88 35.15,43.83 35.13,43.78 35.1,43.74 35.08,43.69 35.06,43.64 35.02,43.55 35,43.5 34.99,43.45 34.97,43.4 34.95,43.35 34.94,43.3 34.93,43.24 34.91,43.14 34.9,43.11 34.9,43.07 34.89,43.03 34.89,42.99 34.88,42.95 34.88,42.91 34.88,42.84 34.88,42.8 34.88,42.78 34.88,38.47 34.88,38.43 34.88,38.39 34.93,37.36 34.93,37.31 34.94,37.25 34.94,37.19 34.95,37.14 34.96,37.08 34.97,37.02 35.16,36.05 35.17,36.02 35.17,35.98 35.18,35.94 35.2,35.91 35.21,35.87 35.22,35.83 35.24,35.8 35.49,35.26 35.51,35.21 35.53,35.17 v2(36.08,33.8) ; 43.58,48.97 43.76,48.23 44.48,48.47 ; 34.42,58.73 34.48,58.29 34.11,58.53